# Altium PCB smart-ring-main.PcbDoc (part 4 of 6) (continued)
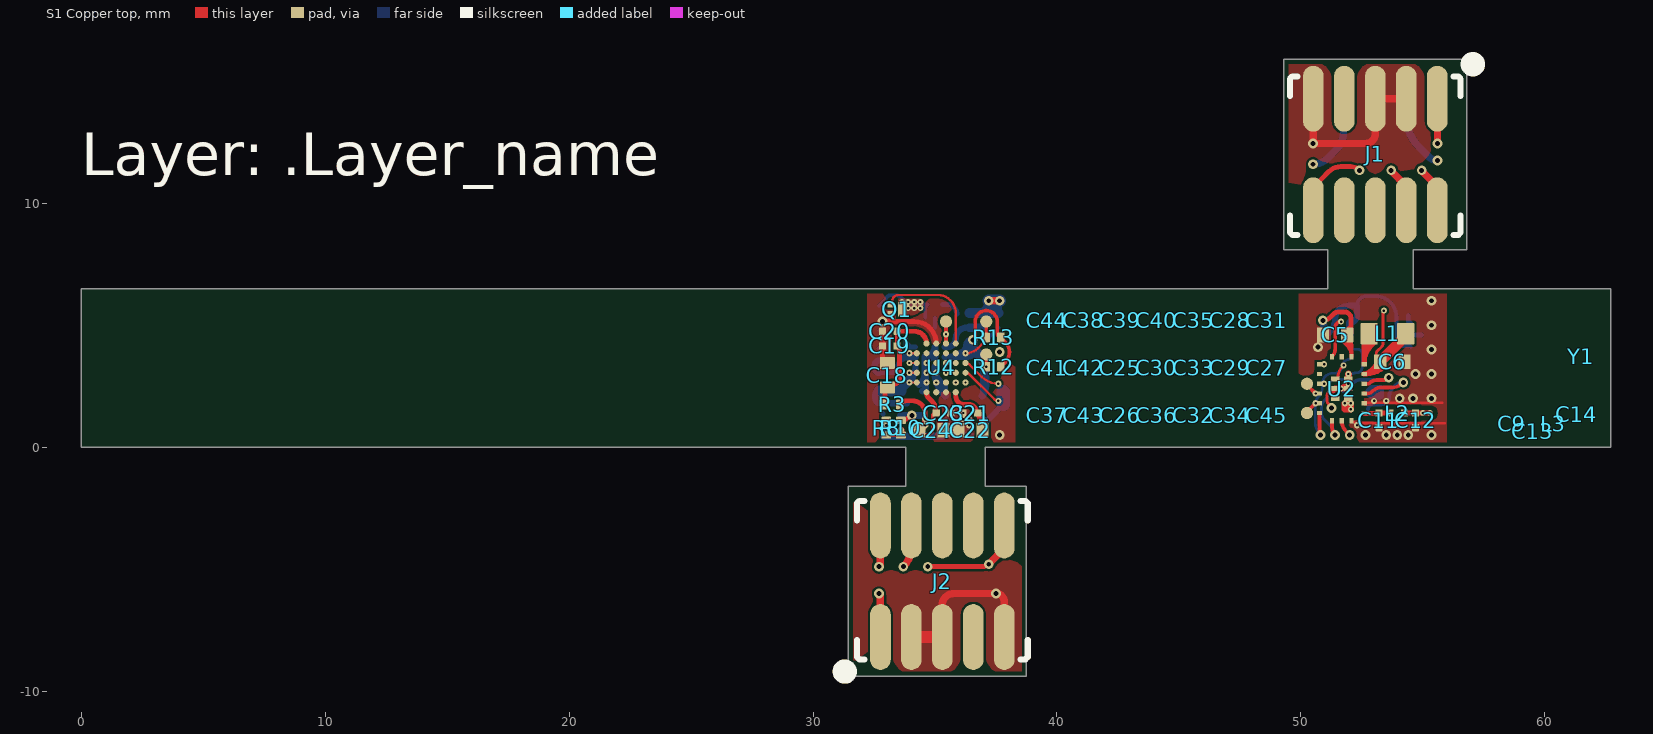
[diagram p0: S1 Copper top view]
## Nets (pads, with @x,y where several pads share a name; then routed paths per layer and width w, separated by ;. In a path a pad name is that pad's centre, name@x,y a point inside that pad or via, vN(x,y) a via of type N, cw(c..) or ccw(c..) an arc to the next point about the centre after c; other vN are vias at no path point) (continued)
 ; 19.401,4.3 19.601,4.1 ; 19.401,4.7 19.601,4.5 ; 19.401,4.7 19.601,4.9 ; 19.601,1.3 19.801,1.5 ; 19.601,1.3 19.801,1.1 ; 19.601,1.7 19.801,1.9 ; 19.601,1.7 19.801,1.5 ; 19.601,2.1 19.801,1.9 ; 19.601,2.1 19.801,2.3 ; 19.601,2.5 19.801,2.7 ; 19.601,2.5 19.801,2.3 ; 19.601,2.9 19.801,2.7 ; 19.601,2.9 19.801,3.1 ; 19.601,3.3 19.801,3.5 ; 19.601,3.3 19.801,3.1 ; 19.601,3.7 19.801,3.9 ; 19.601,3.7 19.801,3.5 ; 19.601,4.1 19.801,3.9 ; 19.601,4.1 19.801,4.3 ; 19.601,4.5 19.801,4.3 ; 19.601,4.5 19.801,4.7 ; 19.601,4.9 19.801,4.7 ; 19.601,4.9 19.401,5.1 19.601,5.3 ; 19.601,4.9 19.801,5.1 ; 19.601,5.3 19.801,5.5 20.001,5.3 ; 19.601,5.3 19.801,5.1 ; 19.801,1.1 20.001,0.9 20.201,1.1 ; 19.801,1.1 20.001,1.3 ; 19.801,1.5 20.001,1.3 ; 19.801,1.5 20.001,1.7 ; 19.801,1.9 20.001,2.1 ; 19.801,1.9 20.001,1.7 ; 19.801,2.3 20.001,2.5 ; 19.801,2.3 20.001,2.1 ; 19.801,2.7 20.001,2.5 ; 19.801,2.7 20.001,2.9 ; 19.801,3.1 20.001,2.9 ; 19.801,3.1 20.001,3.3 ; 19.801,3.5 20.001,3.7 ; 19.801,3.5 20.001,3.3 ; 19.801,3.9 20.001,4.1 ; 19.801,3.9 20.001,3.7 ; 19.801,4.3 20.001,4.1 ; 19.801,4.3 20.001,4.5 ; 19.801,4.7 20.001,4.5 ; 19.801,5.1 20.001,5.3 ; 20.001,1.3 20.201,1.5 ; 20.001,1.3 20.201,1.1 ; 20.001,1.7 20.201,1.9 ; 20.001,1.7 20.201,1.5 ; 20.001,2.1 20.201,1.9 ; 20.001,2.1 20.201,2.3 ; 20.001,2.5 20.201,2.3 ; 20.001,2.5 20.201,2.7 ; 20.001,2.9 20.201,2.7 ; 20.001,2.9 20.201,3.1 ; 20.001,3.3 20.201,3.5 ; 20.001,3.3 20.201,3.1 ; 20.001,3.7 20.201,3.5 ; 20.001,3.7 20.201,3.9 ; 20.001,4.1 20.201,3.9 ; 20.001,4.1 20.201,4.3 ; 20.001,4.5 20.201,4.3 ; 20.001,5.3 20.201,5.5 20.401,5.3 ; 20.201,1.1 20.401,0.9 20.601,1.1 20.401,1.3 ; 20.201,1.1 20.401,1.3 ; 20.201,1.5 20.401,1.3 ; 20.201,1.5 20.401,1.7 ; 20.201,1.9 20.401,1.7 ; 20.201,1.9 20.401,2.1 ; 20.201,2.3 20.401,2.5 ; 20.201,2.3 20.401,2.1 ; 20.201,2.7 20.401,2.9 ; 20.201,2.7 20.401,2.5 ; 20.201,3.1 20.401,2.9 ; 20.201,3.1 20.401,3.3 ; 20.201,3.5 20.401,3.7 ; 20.201,3.5 20.401,3.3 ; 20.201,3.9 20.401,4.1 ; 20.201,3.9 20.401,3.7 ; 20.201,4.3 20.401,4.1 ; 20.201,4.3 20.401,4.5 ; 20.401,1.7 20.601,1.9 ; 20.401,2.1 20.601,1.9 ; 20.401,2.1 20.601,2.3 ; 20.401,2.5 20.601,2.7 ; 20.401,2.5 20.601,2.3 ; 20.401,2.9 20.601,2.7 ; 20.401,2.9 20.601,3.1 ; 20.401,3.3 20.601,3.1 ; 20.401,3.3 20.601,3.5 ; 20.401,3.7 20.601,3.9 ; 20.401,3.7 20.601,3.5 ; 20.401,4.1 20.601,4.3 ; 20.401,4.1 20.601,3.9 ; 20.401,4.5 20.601,4.3 ; 20.401,4.5 20.601,4.7 ; 20.401,5.3 20.601,5.5 20.801,5.3 ; 20.401,5.3 20.601,5.1 ; 20.601,1.9 20.801,2.1 ; 20.601,2.3 20.801,2.5 ; 20.601,2.3 20.801,2.1 ; 20.601,2.7 20.801,2.9 ; 20.601,2.7 20.801,2.5 ; 20.601,3.1 20.801,2.9 ; 20.601,3.1 20.801,3.3 ; 20.601,3.5 20.801,3.7 ; 20.601,3.5 20.801,3.3 ; 20.601,3.9 20.801,4.1 ; 20.601,3.9 20.801,3.7 ; 20.601,4.3 20.801,4.1 ; 20.601,4.3 20.801,4.5 ; 20.601,4.7 20.801,4.5 ; 20.601,4.7 20.801,4.9 ; 20.601,5.1 20.801,4.9 ; 20.601,5.1 20.801,5.3 ; 20.801,2.1 21.001,1.9 ; 20.801,2.1 21.001,2.3 ; 20.801,2.5 21.001,2.7 ; 20.801,2.5 21.001,2.3 ; 20.801,2.9 21.001,3.1 ; 20.801,2.9 21.001,2.7 ; 20.801,3.3 21.001,3.5 ; 20.801,3.3 21.001,3.1 ; 20.801,3.7 21.001,3.9 ; 20.801,3.7 21.001,3.5 ; 20.801,4.1 21.001,4.3 ; 20.801,4.1 21.001,3.9 ; 20.801,4.5 21.001,4.3 ; 20.801,4.5 21.001,4.7 ; 20.801,4.9 21.001,5.1 ; 20.801,4.9 21.001,4.7 ; 20.801,5.3 21.001,5.5 21.201,5.3 ; 20.801,5.3 21.001,5.1 ; 21.001,1.9 21.201,2.1 ; 21.001,1.9 21.201,1.7 ; 21.001,2.3 21.201,2.5 ; 21.001,2.3 21.201,2.1 ; 21.001,2.7 21.201,2.9 ; 21.001,2.7 21.201,2.5 ; 21.001,3.1 21.201,2.9 ; 21.001,3.1 21.201,3.3 ; 21.001,3.5 21.201,3.7 ; 21.001,3.5 21.201,3.3 ; 21.001,3.9 21.201,4.1 ; 21.001,3.9 21.201,3.7 ; 21.001,4.3 21.201,4.1 ; 21.001,4.3 21.201,4.5 ; 21.001,4.7 21.201,4.9 ; 21.001,4.7 21.201,4.5 ; 21.001,5.1 21.201,4.9 ; 21.001,5.1 21.201,5.3 ; 21.201,1.7 21.401,1.9 ; 21.201,1.7 21.401,1.5 ; 21.201,2.1 21.401,2.3 ; 21.201,2.1 21.401,1.9 ; 21.201,2.5 21.401,2.3 ; 21.201,2.5 21.401,2.7 ; 21.201,2.9 21.401,3.1 ; 21.201,2.9 21.401,2.7 ; 21.201,3.3 21.401,3.5 ; 21.201,3.3 21.401,3.1 ; 21.201,3.7 21.401,3.9 ; 21.201,3.7 21.401,3.5 ; 21.201,4.1 21.401,4.3 ; 21.201,4.1 21.401,3.9 ; 21.201,4.5 21.401,4.7 ; 21.201,4.5 21.401,4.3 ; 21.201,4.9 21.401,4.7 ; 21.201,4.9 21.401,5.1 ; 21.201,5.3 21.401,5.5 21.601,5.3 ; 21.201,5.3 21.401,5.1 ; 21.401,1.1 21.601,1.3 ; 21.401,1.1 21.601,0.9 21.801,1.1 ; 21.401,1.5 21.601,1.3 ; 21.401,1.5 21.601,1.7 ; 21.401,1.9 21.601,2.1 ; 21.401,1.9 21.601,1.7 ; 21.401,2.3 21.601,2.5 ; 21.401,2.3 21.601,2.1 ; 21.401,2.7 21.601,2.5 ; 21.401,2.7 21.601,2.9 ; 21.401,3.1 21.601,3.3 ; 21.401,3.1 21.601,2.9 ; 21.401,3.5 21.601,3.3 ; 21.401,3.5 21.601,3.7 ; 21.401,3.9 21.601,4.1 ; 21.401,3.9 21.601,3.7 ; 21.401,4.3 21.601,4.5 ; 21.401,4.3 21.601,4.1 ; 21.401,4.7 21.601,4.5 ; 21.401,4.7 21.601,4.9 ; 21.401,5.1 21.601,5.3 ; 21.401,5.1 21.601,4.9 ; 21.601,1.3 21.801,1.5 ; 21.601,1.3 21.801,1.1 ; 21.601,1.7 21.801,1.9 ; 21.601,1.7 21.801,1.5 ; 21.601,2.1 21.801,2.3 ; 21.601,2.1 21.801,1.9 ; 21.601,2.5 21.801,2.7 ; 21.601,2.5 21.801,2.3 ; 21.601,2.9 21.801,2.7 ; 21.601,2.9 21.801,3.1 ; 21.601,3.3 21.801,3.5 ; 21.601,3.3 21.801,3.1 ; 21.601,3.7 21.801,3.5 ; 21.601,3.7 21.801,3.9 ; 21.601,4.1 21.801,4.3 ; 21.601,4.1 21.801,3.9 ; 21.601,4.5 21.801,4.3 ; 21.601,4.5 21.801,4.7 ; 21.601,4.9 21.801,4.7 ; 21.601,4.9 21.801,5.1 ; 21.601,5.3 21.801,5.1 ; 21.601,5.3 21.801,5.5 22.001,5.3 ; 21.801,1.1 22.001,0.9 22.201,1.1 ; 21.801,1.1 22.001,1.3 ; 21.801,1.5 22.001,1.3 ; 21.801,1.5 22.001,1.7 ; 21.801,1.9 22.001,1.7 ; 21.801,1.9 22.001,2.1 ; 21.801,2.3 22.001,2.5 ; 21.801,2.3 22.001,2.1 ; 21.801,2.7 22.001,2.9 ; 21.801,2.7 22.001,2.5 ; 21.801,3.1 22.001,2.9 ; 21.801,3.1 22.001,3.3 ; 21.801,3.5 22.001,3.7 ; 21.801,3.5 22.001,3.3 ; 21.801,3.9 22.001,4.1 ; 21.801,3.9 22.001,3.7 ; 21.801,4.3 22.001,4.5 ; 21.801,4.3 22.001,4.1 ; 21.801,4.7 22.001,4.5 ; 21.801,5.1 22.001,5.3 ; 22.001,1.3 22.201,1.5 ; 22.001,1.3 22.201,1.1 ; 22.001,1.7 22.201,1.9 ; 22.001,1.7 22.201,1.5 ; 22.001,2.1 22.201,1.9 ; 22.001,2.1 22.201,2.3 ; 22.001,2.5 22.201,2.3 ; 22.001,2.5 22.201,2.7 ; 22.001,2.9 22.201,2.7 ; 22.001,2.9 22.201,3.1 ; 22.001,3.3 22.201,3.5 ; 22.001,3.3 22.201,3.1 ; 22.001,3.7 22.201,3.9 ; 22.001,3.7 22.201,3.5 ; 22.001,4.1 22.201,3.9 ; 22.001,4.1 22.201,4.3 ; 22.001,4.5 22.201,4.3 ; 22.001,5.3 22.201,5.5 22.401,5.3 22.601,5.5 22.801,5.3 ; 22.201,1.1 22.401,0.9 22.601,1.1 ; 22.201,1.1 22.401,1.3 ; 22.201,1.5 22.401,1.3 ; 22.201,1.5 22.401,1.7 ; 22.201,1.9 22.401,2.1 ; 22.201,1.9 22.401,1.7 ; 22.201,2.3 22.401,2.5 ; 22.201,2.3 22.401,2.1 ; 22.201,2.7 22.401,2.5 ; 22.201,2.7 22.401,2.9 ; 22.201,3.1 22.401,2.9 ; 22.201,3.1 22.401,3.3 ; 22.201,3.5 22.401,3.7 ; 22.201,3.5 22.401,3.3 ; 22.201,3.9 22.401,4.1 ; 22.201,3.9 22.401,3.7 ; 22.201,4.3 22.401,4.5 22.601,4.3 22.401,4.1 ; 22.201,4.3 22.401,4.1 ; 22.401,1.3 22.601,1.5 ; 22.401,1.3 22.601,1.1 ; 22.401,1.7 22.601,1.9 ; 22.401,1.7 22.601,1.5 ; 22.401,2.1 22.601,1.9 ; 22.401,2.1 22.601,2.3 ; 22.401,2.5 22.601,2.7 ; 22.401,2.5 22.601,2.3 ; 22.401,2.9 22.601,2.7 ; 22.401,2.9 22.601,3.1 ; 22.401,3.3 22.601,3.5 ; 22.401,3.3 22.601,3.1 ; 22.401,3.7 22.601,3.5 ; 22.401,3.7 22.601,3.9 ; 22.401,4.1 22.601,3.9 ; 22.601,1.1 22.801,1.3 ; 22.601,1.1 22.801,0.9 23.001,1.1 ; 22.601,1.5 22.801,1.7 ; 22.601,1.5 22.801,1.3 ; 22.601,1.9 22.801,2.1 ; 22.601,1.9 22.801,1.7 ; 22.601,2.3 22.801,2.1 ; 22.601,2.3 22.801,2.5 ; 22.601,2.7 22.801,2.9 ; 22.601,2.7 22.801,2.5 ; 22.601,3.1 22.801,3.3 ; 22.601,3.099 22.801,2.9 ; 22.601,3.5 22.801,3.3 ; 22.601,3.5 22.801,3.7 ; 22.601,3.9 22.801,3.7 ; 22.601,3.9 22.801,4.1 ; 22.801,1.3 23.001,1.1 ; 22.801,1.3 23.001,1.5 ; 22.801,1.7 23.001,1.5 ; 22.801,1.7 23.001,1.9 ; 22.801,2.1 23.001,2.3 ; 22.801,2.1 23.001,1.9 ; 22.801,2.5 23.001,2.3 ; 22.801,2.5 23.001,2.7 ; 22.801,2.9 23.001,3.1 ; 22.801,2.9 23.001,2.7 ; 22.801,3.3 23.001,3.1 ; 22.801,3.3 23.001,3.5 ; 22.801,3.7 23.001,3.5 ; 22.801,3.7 23.001,3.9 ; 22.801,4.1 22.601,4.3 22.801,4.5 ; 22.801,4.1 23.001,4.3 ; 22.801,4.1 23.001,3.9 ; 22.801,4.5 23.001,4.7 ; 22.801,4.5 23.001,4.3 ; 22.801,5.3 23.001,5.1 ; 22.801,5.3 23.001,5.5 23.201,5.3 ; 23.001,1.1 23.201,1.3 ; 23.001,1.1 23.201,0.9 23.401,1.1 ; 23.001,1.5 23.201,1.7 ; 23.001,1.5 23.201,1.3 ; 23.001,1.9 23.201,1.7 ; 23.001,1.9 23.201,2.1 ; 23.001,2.3 23.201,2.1 ; 23.001,2.3 23.201,2.5 ; 23.001,2.7 23.201,2.9 ; 23.001,2.7 23.201,2.5 ; 23.001,3.1 23.201,3.3 ; 23.001,3.1 23.201,2.9 ; 23.001,3.5 23.201,3.3 ; 23.001,3.5 23.201,3.7 ; 23.001,3.9 23.201,3.7 ; 23.001,3.9 23.201,4.1 ; 23.001,4.3 23.201,4.5 ; 23.001,4.3 23.201,4.1 ; 23.001,4.7 23.201,4.9 23.001,5.1 ; 23.001,4.7 23.201,4.5 ; 23.001,4.7 22.801,4.9 23.001,5.1 ; 23.001,5.1 23.201,5.3 ; 23.201,1.3 23.401,1.1 ; 23.201,1.3 23.401,1.5 ; 23.201,1.7 23.401,1.5 ; 23.201,1.7 23.401,1.9 ; 23.201,2.1 23.401,2.3 ; 23.201,2.1 23.401,1.9 ; 23.201,2.5 23.401,2.7 ; 23.201,2.5 23.401,2.3 ; 23.201,2.9 23.401,3.1 ; 23.201,2.9 23.401,2.7 ; 23.201,3.3 23.401,3.1 ; 23.201,3.3 23.401,3.5 ; 23.201,3.7 23.401,3.9 ; 23.201,3.7 23.401,3.5 ; 23.201,4.1 23.401,4.3 ; 23.201,4.1 23.401,3.9 ; 23.201,4.5 23.401,4.3 ; 23.201,5.3 23.401,5.5 23.601,5.3 23.801,5.5 24.001,5.3 ; 23.401,1.1 23.601,1.3 ; 23.401,1.1 23.601,0.899 23.801,1.099 ; 23.401,1.5 23.601,1.7 ; 23.401,1.5 23.601,1.3 ; 23.401,1.9 23.601,2.1 ; 23.401,1.9 23.601,1.7 ; 23.401,2.3 23.601,2.5 ; 23.401,2.3 23.601,2.1 ; 23.401,2.7 23.601,2.9 ; 23.401,2.7 23.601,2.5 ; 23.401,3.1 23.601,2.9 ; 23.401,3.1 23.601,3.3 ; 23.401,3.5 23.601,3.7 ; 23.401,3.5 23.601,3.3 ; 23.401,3.9 23.601,4.1 ; 23.401,3.9 23.601,3.7 ; 23.401,4.3 23.601,4.5 23.801,4.3 ; 23.401,4.3 23.601,4.1 ; 23.601,1.3 23.801,1.099 ; 23.601,1.3 23.801,1.5 ; 23.601,1.7 23.801,1.5 ; 23.601,1.7 23.801,1.9 ; 23.601,2.1 23.801,2.3 ; 23.601,2.1 23.801,1.9 ; 23.601,2.5 23.801,2.7 ; 23.601,2.5 23.801,2.3 ; 23.601,2.9 23.801,2.7 ; 23.601,2.9 23.801,3.1 ; 23.601,3.3 23.801,3.1 ; 23.601,3.3 23.801,3.5 ; 23.601,3.7 23.801,3.9 ; 23.601,3.7 23.801,3.5 ; 23.601,4.1 23.801,4.3 ; 23.601,4.1 23.801,3.9 ; 23.801,1.5 24.001,1.299 ; 23.801,1.5 24.001,1.7 ; 23.801,1.9 24.001,2.1 ; 23.801,1.9 24.001,1.7 ; 23.801,2.3 24.001,2.1 ; 23.801,2.3 24.001,2.5 ; 23.801,2.7 24.001,2.9 ; 23.801,2.7 24.001,2.5 ; 23.801,3.1 24.001,2.9 ; 23.801,3.1 24.001,3.3 ; 23.801,3.5 24.001,3.3 ; 23.801,3.5 24.001,3.7 ; 23.801,3.9 24.001,4.1 ; 23.801,3.9 24.001,3.7 ; 23.801,4.3 24.001,4.5 ; 23.801,4.3 24.001,4.1 ; 23.801,1.099 24.001,1.299 ; 23.801,1.099 24.001,0.899 24.201,1.099 ; 24.001,1.299 24.201,1.099 ; 24.001,1.299 24.201,1.499 ; 24.001,1.7 24.201,1.9 ; 24.001,1.7 24.201,1.499 ; 24.001,2.1 24.201,2.3 ; 24.001,2.1 24.201,1.9 ; 24.001,2.5 24.201,2.3 ; 24.001,2.5 24.201,2.7 ; 24.001,2.9 24.201,3.1 ; 24.001,2.9 24.201,2.7 ; 24.001,3.3 24.201,3.1 ; 24.001,3.3 24.201,3.5 ; 24.001,3.7 24.201,3.5 ; 24.001,3.7 24.201,3.9 ; 24.001,4.1 24.201,4.3 ; 24.001,4.1 24.201,3.9 ; 24.001,4.5 24.201,4.7 ; 24.001,4.5 24.201,4.3 ; 24.001,5.3 24.201,5.1 ; 24.001,5.3 24.201,5.5 24.401,5.3 ; 24.201,1.9 24.401,2.1 ; 24.201,1.9 24.401,1.699 ; 24.201,2.3 24.401,2.1 ; 24.201,2.3 24.401,2.5 ; 24.201,2.7 24.401,2.9 ; 24.201,2.7 24.401,2.5 ; 24.201,3.1 24.401,3.3 ; 24.201,3.1 24.401,2.9 ; 24.201,3.5 24.401,3.3 ; 24.201,3.5 24.401,3.7 ; 24.201,3.9 24.401,4.1 ; 24.201,3.9 24.401,3.7 ; 24.201,4.3 24.401,4.5 ; 24.201,4.3 24.401,4.1 ; 24.201,4.7 24.401,4.5 ; 24.201,4.7 24.401,4.9 ; 24.201,5.1 24.401,5.3 ; 24.201,5.1 24.401,4.9 ; 24.201,1.099 24.401,1.299 ; 24.201,1.099 24.401,0.899 24.601,1.099 ; 24.201,1.499 24.401,1.699 ; 24.201,1.499 24.401,1.299 ; 24.401,1.299 24.601,1.499 ; 24.401,1.299 24.601,1.099 ; 24.401,1.699 24.601,1.899 ; 24.401,1.699 24.601,1.499 ; 24.401,2.1 24.601,2.3 ; 24.401,2.1 24.601,1.899 ; 24.401,2.5 24.601,2.7 ; 24.401,2.5 24.601,2.3 ; 24.401,2.9 24.601,3.1 ; 24.401,2.9 24.601,2.7 ; 24.401,3.3 24.601,3.1 ; 24.401,3.3 24.601,3.5 ; 24.401,3.7 24.601,3.9 ; 24.401,3.7 24.601,3.5 ; 24.401,4.1 24.601,3.9 ; 24.401,4.1 24.601,4.3 ; 24.401,4.5 24.601,4.3 ; 24.401,4.5 24.601,4.7 ; 24.401,4.9 24.601,5.1 ; 24.401,4.9 24.601,4.7 ; 24.401,5.3 24.601,5.1 ; 24.401,5.3 24.601,5.5 24.801,5.3 ; 24.601,1.099 24.801,0.899 25.001,1.099 ; 24.601,1.099 24.801,1.299 ; 24.601,1.499 24.801,1.699 ; 24.601,1.499 24.801,1.299 ; 24.601,1.899 24.801,2.099 ; 24.601,1.899 24.801,1.699 ; 24.601,2.3 24.801,2.5 ; 24.601,2.3 24.801,2.099 ; 24.601,2.7 24.801,2.9 ; 24.601,2.7 24.801,2.5 ; 24.601,3.1 24.801,3.3 ; 24.601,3.1 24.801,2.9 ; 24.601,3.5 24.801,3.7 ; 24.601,3.5 24.801,3.3 ; 24.601,3.9 24.801,4.1 ; 24.601,3.9 24.801,3.7 ; 24.601,4.3 24.801,4.1 ; 24.601,4.3 24.801,4.5 ; 24.601,4.7 24.801,4.5 ; 24.601,5.1 24.801,5.3 ; 24.801,1.299 25.001,1.099 ; 24.801,1.299 25.001,1.499 ; 24.801,1.699 25.001,1.499 ; 24.801,1.699 25.001,1.899 ; 24.801,2.099 25.001,2.299 ; 24.801,2.099 25.001,1.899 ; 24.801,2.5 25.001,2.299 ; 24.801,2.5 25.001,2.7 ; 24.801,2.9 25.001,3.1 ; 24.801,2.9 25.001,2.7 ; 24.801,3.3 25.001,3.5 ; 24.801,3.3 25.001,3.1 ; 24.801,3.7 25.001,3.9 ; 24.801,3.7 25.001,3.5 ; 24.801,4.1 25.001,4.3 ; 24.801,4.1 25.001,3.9 ; 24.801,4.5 25.001,4.3 ; 24.801,5.3 25.001,5.5 25.201,5.3 25.401,5.5 25.601,5.3 ; 25.001,1.099 25.201,1.299 ; 25.001,1.099 25.201,0.899 25.401,1.099 ; 25.001,1.499 25.201,1.699 ; 25.001,1.499 25.201,1.299 ; 25.001,1.899 25.201,2.099 ; 25.001,1.899 25.201,1.699 ; 25.001,2.299 25.201,2.499 ; 25.001,2.299 25.201,2.099 ; 25.001,2.7 25.201,2.499 ; 25.001,2.7 25.201,2.9 ; 25.001,3.1 25.201,3.3 ; 25.001,3.1 25.201,2.9 ; 25.001,3.5 25.201,3.3 ; 25.001,3.5 25.201,3.7 ; 25.001,3.9 25.201,3.7 ; 25.001,3.9 25.201,4.1 ; 25.001,4.3 25.201,4.5 25.401,4.3 ; 25.001,4.3 25.201,4.1 ; 25.201,1.299 25.401,1.099 ; 25.201,1.299 25.401,1.499 ; 25.201,1.699 25.401,1.499 ; 25.201,1.699 25.401,1.899 ; 25.201,2.099 25.401,2.299 ; 25.201,2.099 25.401,1.899 ; 25.201,2.499 25.401,2.699 ; 25.201,2.499 25.401,2.299 ; 25.201,2.9 25.401,3.1 ; 25.201,2.9 25.401,2.699 ; 25.201,3.3 25.401,3.1 ; 25.201,3.3 25.401,3.5 ; 25.201,3.7 25.401,3.5 ; 25.201,3.7 25.401,3.9 ; 25.201,4.1 25.401,4.3 ; 25.201,4.1 25.401,3.9 ; 25.401,1.099 25.601,1.299 ; 25.401,1.099 25.601,0.899 25.801,1.099 ; 25.401,1.499 25.601,1.699 ; 25.401,1.499 25.601,1.299 ; 25.401,1.899 25.601,1.699 ; 25.401,1.899 25.601,2.099 ; 25.401,2.299 25.601,2.099 ; 25.401,2.299 25.601,2.499 ; 25.401,2.699 25.601,2.899 ; 25.401,2.699 25.601,2.499 ; 25.401,3.1 25.601,3.3 ; 25.401,3.1 25.601,2.899 ; 25.401,3.5 25.601,3.3 ; 25.401,3.5 25.601,3.7 ; 25.401,3.9 25.601,3.7 ; 25.401,3.9 25.601,4.1 ; 25.401,4.3 25.601,4.1 ; 25.401,4.3 25.601,4.5 ; 25.601,1.299 25.801,1.499 ; 25.601,1.299 25.801,1.099 ; 25.601,1.699 25.801,1.899 ; 25.601,1.699 25.801,1.499 ; 25.601,2.099 25.801,2.299 ; 25.601,2.099 25.801,1.899 ; 25.601,2.499 25.801,2.699 ; 25.601,2.499 25.801,2.299 ; 25.601,2.899 25.801,2.699 ; 25.601,2.899 25.801,3.099 ; 25.601,3.3 25.801,3.099 ; 25.601,3.3 25.801,3.5 25.601,3.7 ; 25.601,3.7 25.801,3.9 25.601,4.1 ; 25.601,4.1 25.801,4.3 ; 25.601,4.5 25.801,4.3 ; 25.601,4.5 25.801,4.7 ; 25.601,5.3 25.801,5.1 ; 25.601,5.3 25.801,5.5 26.001,5.299 ; 25.801,1.099 26.001,0.899 26.201,1.099 ; 25.801,1.099 26.001,1.299 ; 25.801,1.499 26.001,1.299 ; 25.801,1.499 26.001,1.699 ; 25.801,1.899 26.001,2.099 ; 25.801,1.899 26.001,1.699 ; 25.801,2.299 26.001,2.499 ; 25.801,2.299 26.001,2.099 ; 25.801,2.699 26.001,2.899 ; 25.801,2.699 26.001,2.499 ; 25.801,3.1 26.001,3.299 ; 25.801,4.299 26.001,4.499 ; 25.801,4.299 26.001,4.099 ; 25.801,4.699 26.001,4.499 ; 25.801,4.699 26.001,4.899 25.801,5.099 ; 25.801,4.7 25.601,4.9 25.801,5.1 ; 25.801,5.099 26.001,5.299 ; 26.001,1.299 26.201,1.499 ; 26.001,1.299 26.201,1.099 ; 26.001,1.699 26.201,1.899 ; 26.001,1.699 26.201,1.499 ; 26.001,2.099 26.201,1.899 ; 26.001,2.099 26.201,2.299 ; 26.001,2.499 26.201,2.699 ; 26.001,2.499 26.201,2.299 ; 26.001,2.899 26.201,2.699 ; 26.001,2.899 26.201,3.099 ; 26.001,3.299 26.201,3.499 ; 26.001,3.299 25.801,3.499 26.001,3.699 ; 26.001,3.299 26.201,3.099 ; 26.001,3.699 26.201,3.899 ; 26.001,3.699 26.201,3.499 ; 26.001,3.699 25.801,3.899 26.001,4.099 ; 26.001,4.099 26.201,3.899 ; 26.001,4.099 26.201,4.299 ; 26.001,4.499 26.201,4.299 ; 26.001,5.299 26.201,5.499 26.401,5.299 26.601,5.499 26.801,5.299 ; 26.201,1.099 26.401,0.899 26.601,1.099 26.401,1.299 ; 26.201,1.099 26.401,1.299 ; 26.201,1.499 26.401,1.299 ; 26.201,1.499 26.401,1.699 ; 26.201,1.899 26.401,2.099 ; 26.201,1.899 26.401,1.699 ; 26.201,2.299 26.401,2.499 ; 26.201,2.299 26.401,2.099 ; 26.201,2.699 26.401,2.499 ; 26.201,2.699 26.401,2.899 ; 26.201,3.099 26.401,2.899 ; 26.201,3.099 26.401,3.299 ; 26.201,3.499 26.401,3.699 ; 26.201,3.499 26.401,3.299 ; 26.201,3.899 26.401,4.099 ; 26.201,3.899 26.401,3.699 ; 26.201,4.299 26.401,4.099 ; 26.201,4.299 26.401,4.499 26.601,4.299 ; 26.401,1.299 26.601,1.499 ; 26.401,1.699 26.601,1.899 ; 26.401,1.699 26.601,1.499 ; 26.401,2.099 26.601,1.899 ; 26.401,2.099 26.601,2.299 ; 26.401,2.499 26.601,2.299 ; 26.401,2.499 26.601,2.699 ; 26.401,2.899 26.601,2.699 ; 26.401,2.899 26.601,3.099 ; 26.401,3.299 26.601,3.499 ; 26.401,3.299 26.601,3.099 ; 26.401,3.699 26.601,3.499 ; 26.401,3.699 26.601,3.899 ; 26.401,4.099 26.601,3.899 ; 26.401,4.099 26.601,4.299 ; 26.601,1.499 26.801,1.699 ; 26.601,1.899 26.801,1.699 ; 26.601,1.899 26.801,2.099 ; 26.601,2.299 26.801,2.499 ; 26.601,2.299 26.801,2.099 ; 26.601,2.699 26.801,2.899 ; 26.601,2.699 26.801,2.499 ; 26.601,3.099 26.801,2.899 ; 26.601,3.099 26.801,3.299 ; 26.601,3.499 26.801,3.699 ; 26.601,3.499 26.801,3.299 ; 26.601,3.899 26.801,4.099 ; 26.601,3.899 26.801,3.699 ; 26.601,4.299 26.801,4.099 ; 26.601,4.299 26.801,4.499 ; 26.801,1.699 27.001,1.899 ; 26.801,2.099 27.001,1.899 ; 26.801,2.099 27.001,2.299 ; 26.801,2.499 27.001,2.699 ; 26.801,2.499 27.001,2.299 ; 26.801,2.899 27.001,2.699 ; 26.801,2.899 27.001,3.099 ; 26.801,3.299 27.001,3.099 ; 26.801,3.299 27.001,3.499 ; 26.801,3.699 27.001,3.899 ; 26.801,3.699 27.001,3.499 ; 26.801,4.099 27.001,4.299 ; 26.801,4.099 27.001,3.899 ; 26.801,4.499 27.001,4.299 ; 26.801,4.499 27.001,4.699 ; 26.801,5.299 27.001,5.499 27.201,5.299 ; 26.801,5.299 27.001,5.099 ; 27.001,1.899 27.201,2.099 ; 27.001,2.299 27.201,2.499 ; 27.001,2.299 27.201,2.099 ; 27.001,2.699 27.201,2.899 ; 27.001,2.699 27.201,2.499 ; 27.001,3.099 27.201,2.899 ; 27.001,3.099 27.201,3.299 ; 27.001,3.499 27.201,3.699 ; 27.001,3.499 27.201,3.299 ; 27.001,3.899 27.201,4.099 ; 27.001,3.899 27.201,3.699 ; 27.001,4.299 27.201,4.499 ; 27.001,4.299 27.201,4.099 ; 27.001,4.699 27.201,4.499 ; 27.001,4.699 27.201,4.899 ; 27.001,5.099 27.201,4.899 ; 27.001,5.099 27.201,5.299 ; 27.201,2.099 27.401,1.899 27.601,2.099 ; 27.201,2.099 27.401,2.299 ; 27.201,2.499 27.401,2.699 ; 27.201,2.499 27.401,2.299 ; 27.201,2.899 27.401,3.099 ; 27.201,2.899 27.401,2.699 ; 27.201,3.299 27.401,3.499 ; 27.201,3.299 27.401,3.099 ; 27.201,3.699 27.401,3.899 ; 27.201,3.699 27.401,3.499 ; 27.201,4.099 27.401,4.299 27.201,4.499 ; 27.201,4.099 27.401,3.899 ; 27.201,4.499 27.401,4.699 27.201,4.899 ; 27.201,4.899 27.401,5.099 ; 27.201,5.299 27.401,5.099 ; 27.401,2.299 27.601,2.499 ; 27.401,2.299 27.601,2.099 ; 27.401,2.699 27.601,2.899 ; 27.401,2.699 27.601,2.499 ; 27.401,3.099 27.601,3.299 ; 27.401,3.099 27.601,2.899 ; 27.401,3.499 27.601,3.699 ; 27.401,3.499 27.601,3.299 ; 27.401,3.899 27.601,3.699 ; 27.601,2.099 27.801,1.899 27.826,1.924 28.001,2.099 27.801,2.299 ; 27.601,2.099 27.801,2.299 ; 27.601,2.499 27.801,2.299 ; 27.601,2.499 27.801,2.699 ; 27.601,2.899 27.801,3.099 ; 27.601,2.899 27.801,2.699 ; 27.601,3.299 27.801,3.499 ; 27.601,3.299 27.801,3.099 ; 27.601,3.699 27.801,3.499 ; 27.601,3.699 27.801,3.899 28.001,3.699 ; 27.801,2.299 28.001,2.499 ; 27.801,2.699 28.001,2.899 ; 27.801,2.699 28.001,2.499 ; 27.801,3.099 28.001,3.299 ; 27.801,3.099 28.001,2.899 ; 27.801,3.499 28.001,3.699 ; 27.801,3.499 28.001,3.299 ; 28.001,2.499 28.201,2.299 28.401,2.499 ; 28.001,2.499 28.201,2.699 ; 28.001,2.899 28.201,2.699 ; 28.001,2.899 28.201,3.099 ; 28.001,3.299 28.201,3.099 ; 28.001,3.299 28.201,3.499 ; 28.001,3.699 28.201,3.499 ; 28.201,2.699 28.401,2.499 ; 28.201,2.699 28.401,2.899 ; 28.201,3.099 28.401,2.899 ; 28.201,3.099 28.401,3.299 ; 28.201,3.499 28.401,3.299 ; 28.201,3.499 28.401,3.699 28.601,3.499 ; 28.401,2.499 28.576,2.674 28.601,2.699 ; 28.401,2.499 28.601,2.299 28.776,2.474 pad.1@28.801,2.499 ; 28.401,2.899 28.601,3.099 ; 28.401,2.899 28.601,2.699 ; 28.401,3.299 28.601,3.499 ; 28.401,3.299 28.601,3.099 ; 28.601,2.699 pad.1@28.801,2.499 ; 28.601,2.699 28.801,2.899 ; 28.601,3.099 28.801,3.299 ; 28.601,3.099 28.801,2.899 ; 28.601,3.499 28.801,3.699 29.001,3.499 ; 28.601,3.499 28.801,3.299 ; pad.1@28.801,2.499 29.001,2.299 pad.1@29.201,2.499 ; pad.1@28.801,2.499 29.001,2.699 ; 28.801,2.899 29.001,2.699 ; 28.801,2.899 29.001,3.099 ; 28.801,3.299 29.001,3.099 ; 28.801,3.299 29.001,3.499 ; 29.001,2.699 29.201,2.899 ; 29.001,2.699 pad.1@29.201,2.499 ; 29.001,3.099 29.201,3.299 ; 29.001,3.099 29.201,2.899 ; 29.001,3.499 29.201,3.699 29.401,3.499 ; 29.001,3.499 29.201,3.299 ; pad.1@29.201,2.499 29.401,2.699 ; pad.1@29.201,2.499 29.401,2.299 pad.1@29.601,2.499 ; 29.201,2.899 29.401,3.099 ; 29.201,2.899 29.401,2.699 ; 29.201,3.299 29.401,3.499 ; 29.201,3.299 29.401,3.099 ; 29.401,2.699 29.601,2.899 ; 29.401,2.699 pad.1@29.601,2.499 ; 29.401,3.099 29.601,3.299 ; 29.401,3.099 29.601,2.899 ; 29.401,3.499 29.601,3.699 29.801,3.499 ; 29.401,3.499 29.601,3.299 ; pad.1@29.601,2.499 29.801,2.299 pad.1@30.001,2.499 ; pad.1@29.601,2.499 29.801,2.699 ; 29.601,2.899 29.801,3.099 ; 29.601,2.899 29.801,2.699 ; 29.601,3.299 29.801,3.499 ; 29.601,3.299 29.801,3.099 ; 29.801,2.699 30.001,2.899 ; 29.801,2.699 pad.1@30.001,2.499 ; 29.801,3.099 30.001,3.299 ; 29.801,3.099 30.001,2.899 ; 29.801,3.499 30.001,3.699 30.201,3.499 ; 29.801,3.499 30.001,3.299 ; pad.1@30.001,2.499 30.201,2.699 ; pad.1@30.001,2.499 30.201,2.299 30.251,2.349 pad.1@30.401,2.499 ; 30.001,2.899 30.201,3.099 ; 30.001,2.899 30.201,2.699 ; 30.001,3.299 30.201,3.499 ; 30.001,3.299 30.201,3.099 ; 30.201,2.699 pad.1@30.401,2.499 ; 30.201,2.699 30.401,2.899 ; 30.201,3.099 30.401,3.299 ; 30.201,3.099 30.401,2.899 ; 30.201,3.499 30.401,3.699 30.601,3.499 ; 30.201,3.499 30.401,3.299 ; pad.1@30.401,2.499 30.601,2.299 30.801,2.499 ; pad.1@30.401,2.499 30.601,2.699 ; 30.401,2.899 30.601,3.099 ; 30.401,2.899 30.601,2.699 ; 30.401,3.299 30.601,3.499 ; 30.401,3.299 30.601,3.099 ; 30.601,2.699 30.801,2.899 ; 30.601,2.699 30.801,2.499 ; 30.601,3.099 30.801,3.299 ; 30.601,3.099 30.801,2.899 ; 30.601,3.499 30.801,3.299 ; 30.801,2.499 31.001,2.699 ; 30.801,2.499 31.001,2.299 ; 30.801,2.899 31.001,3.099 ; 30.801,2.899 31.001,2.699 ; 30.801,3.299 31.001,3.099 ; 31.001,1.099 31.201,0.899 31.401,1.099 ; 31.001,1.099 31.201,1.299 ; 31.001,2.299 31.201,2.099 ; 31.001,2.299 31.201,2.499 ; 31.001,2.699 31.201,2.899 ; 31.001,2.699 31.201,2.499 ; 31.001,3.099 31.201,2.899 ; 31.201,1.299 31.401,1.099 ; 31.201,1.299 31.401,1.499 ; 31.201,1.299 31.001,1.499 31.201,1.699 ; 31.201,1.7 31.401,1.899 ; 31.201,1.699 31.401,1.499 ; 31.201,2.099 31.401,2.299 ; 31.201,2.099 31.401,1.899 ; 31.201,2.499 31.401,2.299 ; 31.201,2.499 31.401,2.699 ; 31.201,2.899 31.401,3.099 31.601,2.899 ; 31.201,2.899 31.401,2.699 ; 31.401,1.099 31.601,1.299 ; 31.401,1.099 31.601,0.899 31.801,1.099 ; 31.401,1.499 31.601,1.699 ; 31.401,1.499 31.601,1.299 ; 31.401,1.899 31.601,1.699 ; 31.401,1.899 31.601,2.099 ; 31.401,2.299 31.601,2.099 ; 31.401,2.299 31.601,2.499 ; 31.401,2.699 31.601,2.499 ; 31.401,2.699 31.601,2.899 ; 31.601,1.299 31.801,1.099 ; 31.601,1.299 31.801,1.499 ; 31.601,1.699 31.801,1.499 ; 31.601,1.699 31.801,1.899 ; 31.601,2.099 31.801,2.299 ; 31.601,2.099 31.801,1.899 32.001,2.099 ; 31.601,2.499 31.801,2.699 ; 31.601,2.499 31.801,2.299 ; 31.601,2.899 31.801,3.099 32.001,2.899 ; 31.601,2.899 31.801,2.699 ; 31.801,1.099 32.001,1.299 ; 31.801,1.499 32.001,1.299 ; 31.801,1.499 32.001,1.699 ; 31.801,1.899 32.001,1.699 ; 31.801,1.899 32.001,2.099 ; 31.801,2.299 32.001,2.099 ; 31.801,2.299 32.001,2.499 ; 31.801,2.699 32.001,2.499 ; 31.801,2.699 32.001,2.899
  S6 Copper bottom w0.1: NTC1.1@32.7,4.8 ccw(c32.7,5.095) NTC1.1@32.908,4.886
  S6 Copper bottom w0.2: C17.1@32.7,4.05 cw(c32.821,3.929) C17.1@32.821,4.1 ; C2.2@32.863,1.363 C2.2@32.863,1.378 ; U1.D1@33.8,4.5 33.8,4.3 ; U1.C2@34.2,4.1 34,4.1 ; v5(35.4,3.3) U1.A5@35.406,3.294 ; X1.2@52.9,2.1 cw(c52.9,2.25) X1.2@52.75,2.25 cw(c52.9,2.25) X1.2@52.9,2.4 ; 33.8,4.3 34,4.1 ; 33.8,4.3 U1.C1@33.8,4.1 34,4.1
  S6 Copper bottom w0.3: C3.2@33.6,1.3 C4.2@34.5,1.3 ; X1.2@52.9,2.1 v5(53.25,2.1) v5(53.25,2.4) X1.2@52.9,2.4
  other v1: 40.35,0.7 41.85,0.7 43.35,0.7 44.85,0.7 46.35,0.7 47.85,0.7 41.85,3.9 43.35,3.9 44.85,3.9 46.35,3.9 47.85,3.9 40.35,4.5 41.85,4.5 43.35,4.5 44.85,4.5 46.35,4.5 47.85,4.5
  other v2: 28.4,1.3 30.4,1.3 28,1.75 29.4,1.75 30.8,1.75 28.4,2.2 29,2.2 29.8,2.2 1,5.5 2,5.5 3,5.5 4,5.5 5,5.5 7,5.5 9,5.5
  other v3: 36.4,0.9 52.3,0.9 36.15,1.15 36.4,1.15 36.15,1.4 53,1.9 53.5,1.9
  other v4: 37.65,0.5 52.65,0.5 53.5,0.5 53.95,0.5 54.4,0.5 55.35,0.5 34.05,1.3 54.05,2 54.6,2 55.35,2 54.7,3 55.35,3 37.65,3.9 55.35,4 50.7,4.1 55.35,5
  other v5: 36,1.5 36.3,1.5 35.65,2.8 35.9,2.8 35.4,3.05 35.65,3.05 35.9,3.05 33.8,3.3 35.65,3.3 35.9,3.3 35.4,4.5
  other v6: 57.4,0.5 61.2,0.5 61.7,0.5 62.2,0.5 62.2,0.95 62.2,1.4 9.8,1.8
HAP_PULSE: Q1.G U4.E6 | length 4.6
  S1 Copper top w0.1: Q1.G@33.205,5.825 ccw(c33.205,5.87) 33.25,5.87 33.25,6 cw(c33.488,6) 33.488,6.238 35.112,6.238 cw(c35.112,5.5) 35.85,5.5 U4.E6@35.85,4.25